# KiCad board helios-panel.kicad_pcb (continued)
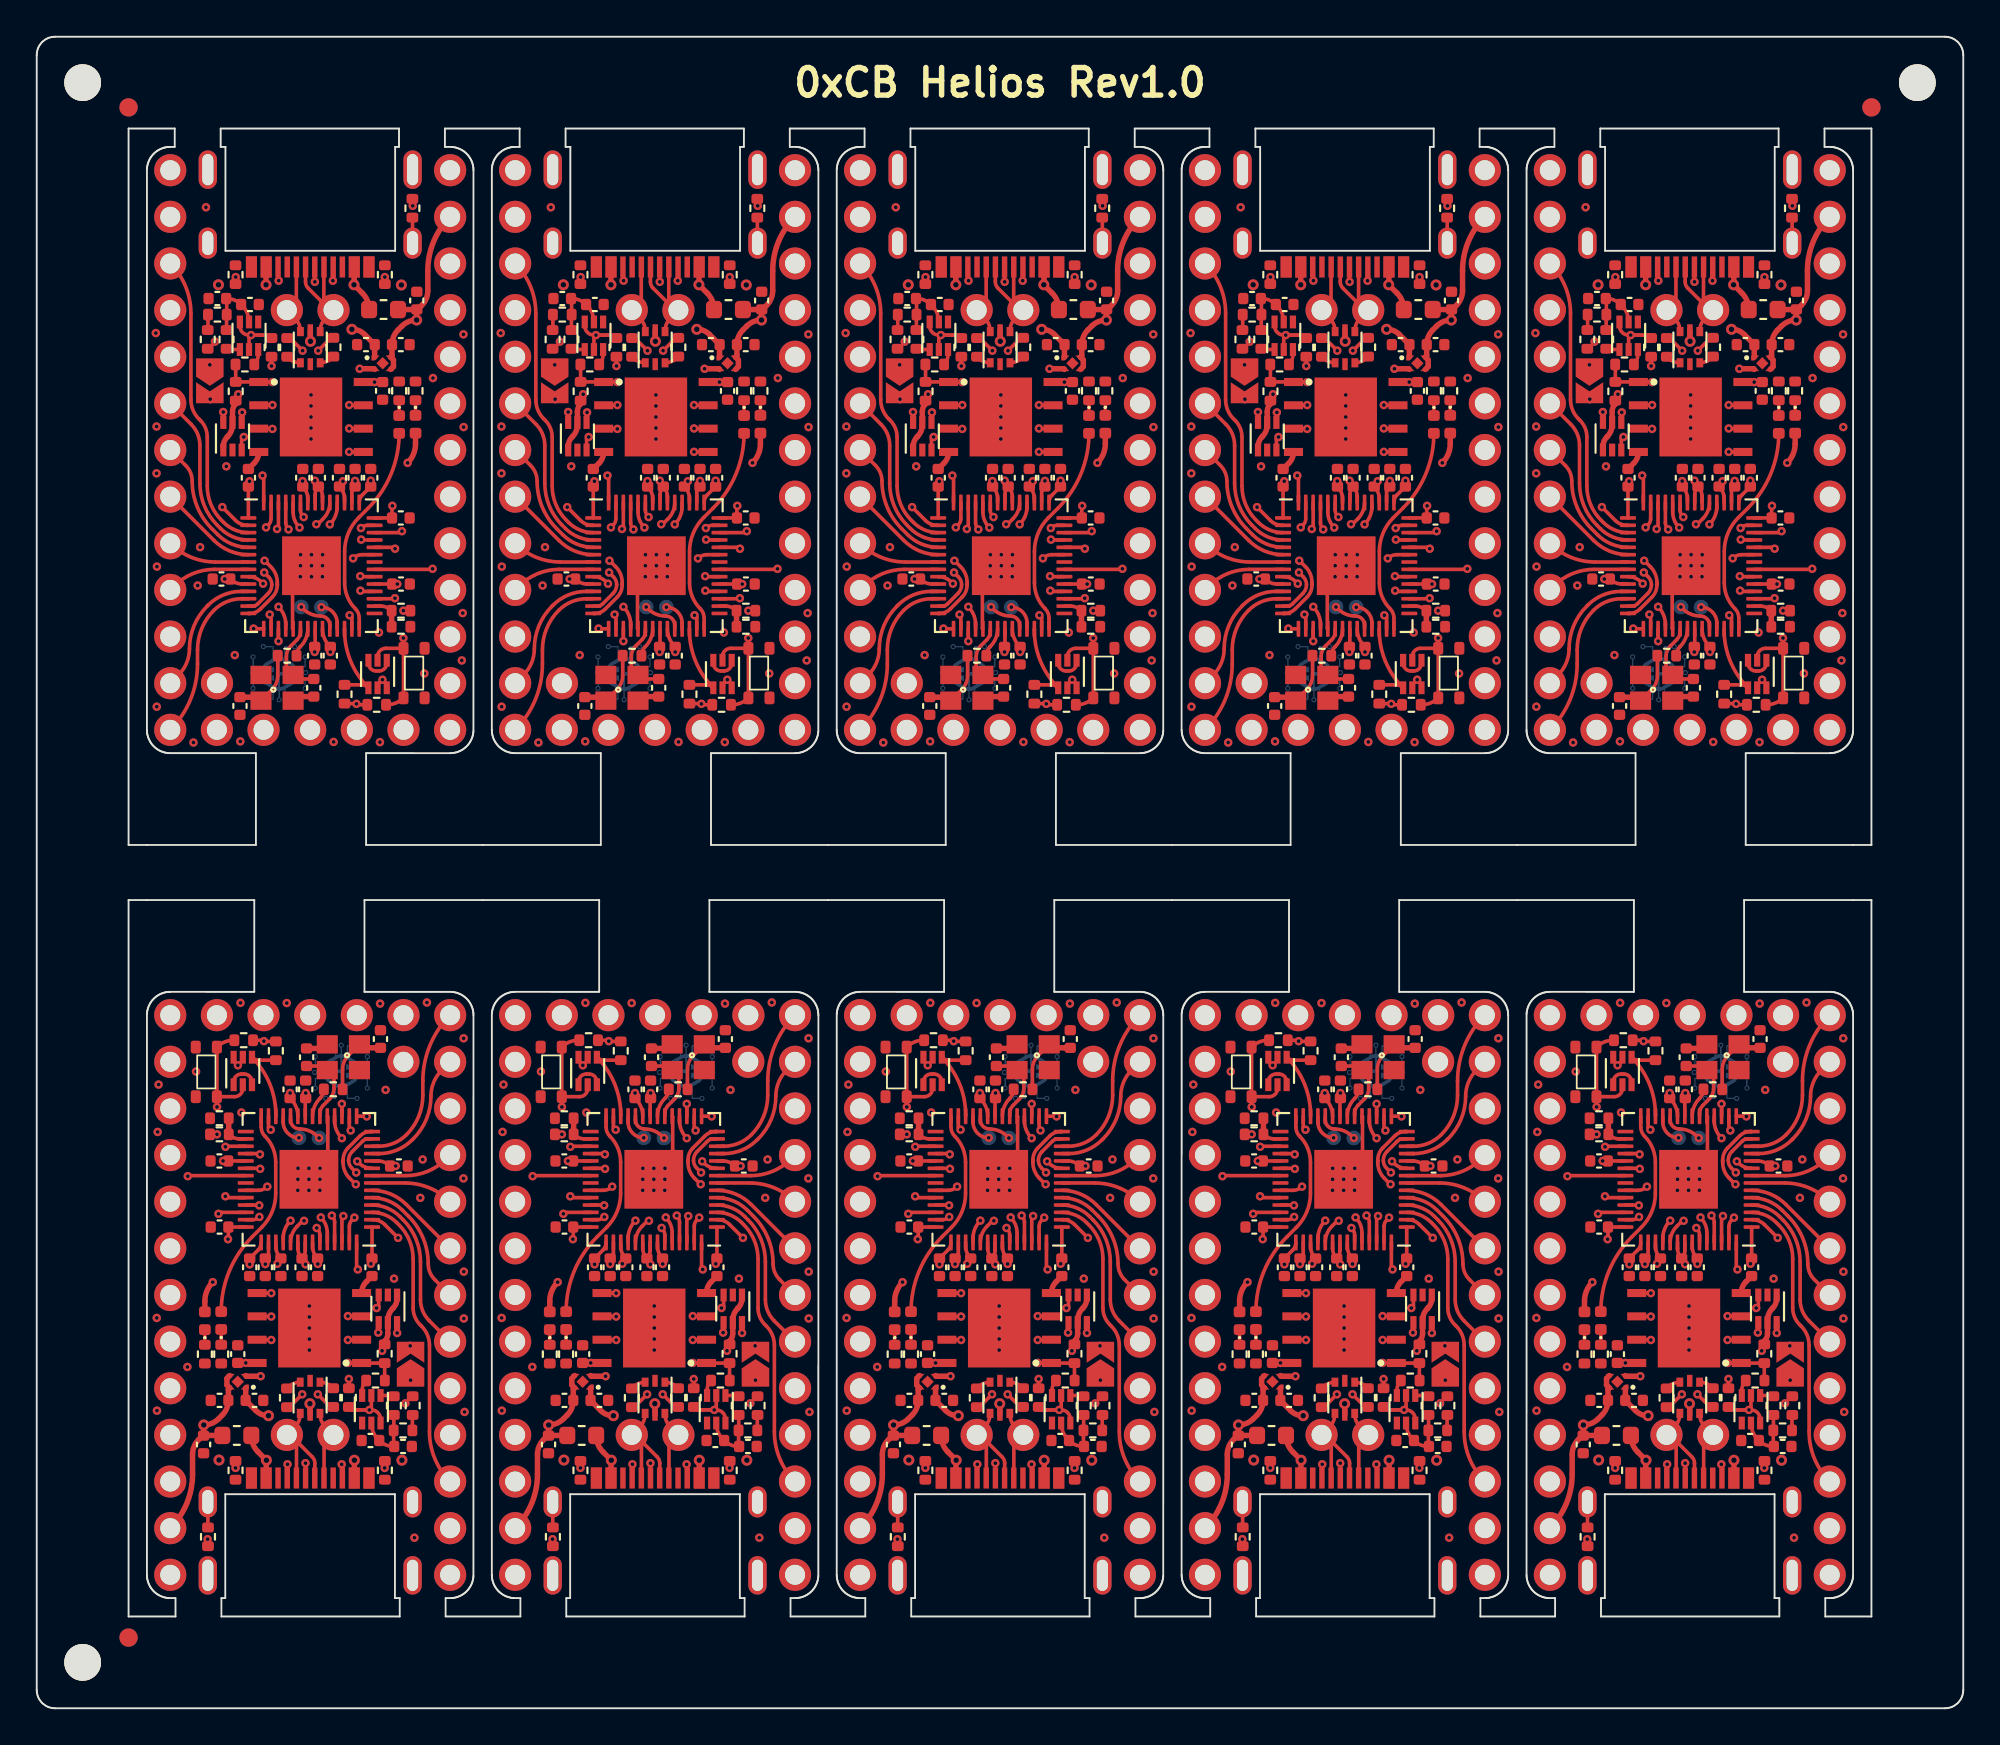
[diagram p0: board, top side]
## Routing (per net, layer and track width the routed paths; a pad name or vN(x,y) marks a point on that pad's centre or on a via; arc(x,y) is an arc through that point) (continued)
Board_0-/2_SDA1: length 9.4
  Top w0.2: J2#3.6 8.41,69.93 arc(8.76,69.4) 8.89,68.78 8.89,66.71 arc(9.13,65.48) 9.83,64.44 10.01,64.26 arc(10.7,63.79) U4#10.4
Board_0-/3_SCL1: length 7.3
  Top w0.2: J2#3.7 8.11,67.69 arc(8.37,67.3) 8.46,66.83 arc(8.74,65.43) 9.54,64.24 9.86,63.92 arc(10.62,63.41) U4#10.5
Board_0-/4: length 5.4
  Top w0.2: J2#3.8 9.66,63.6 arc(10.51,63.03) U4#10.6
Board_0-/5: length 4.5
  Top w0.2: U4#10.7 9.73,62.43 arc(8.4,62.7) J2#3.9
Board_0-/6: length 4.6
  Top w0.2: U4#10.8 9.68,62.03 arc(8.49,61.79) 7.48,61.12 J2#3.10
Board_0-/7: length 6.9
  Top w0.2: U4#10.9 11.56,61.63 arc(11.92,61.56) 12.22,61.35 v1(12.32,61.25)
  In2.Cu w0.2: v1(12.32,61.25) 10.98,59.91 arc(9.28,58.77) J2#3.11
Board_0-/8: length 7.3
  Top w0.2: U4#10.11 11.14,60.83 arc(10.17,60.64) 9.34,60.09 9.27,60.02 arc(8.56,58.96) 8.32,57.7 arc(8.16,56.94) 7.73,56.29 J2#3.12
Board_0-/9: length 9.2
  Top w0.2: U4#10.12 11.16,60.43 arc(10.34,60.27) 9.65,59.8 arc(8.99,58.81) 8.75,57.65 8.75,56.88 arc(8.37,54.93) J2#3.13
Board_0-/10: length 26.5
  Top w0.2: v1(12.39,61.86) 12.62,61.62 arc(12.75,61.43) 12.8,61.2 arc(12.75,60.94) 12.6,60.72 12.03,60.15 arc(11.9,60.06) 11.75,60.03 U4#10.13
  In2.Cu w0.2: v1(12.39,61.86) 12.35,61.86 9.07,65.14 arc(8.66,65.76) 8.52,66.48 8.52,80.76 arc(8.19,82.39) J2#3.1
Board_0-/11: length 38
  Top w0.2: U4#10.14 11.61,59.63 arc(11.91,59.69) 12.17,59.86 12.82,60.51 arc(13.03,60.82) 13.1,61.18 13.1,61.31 arc(13.01,61.78) 12.74,62.17 12.42,62.5 v1(12.41,62.5)
  In1.Cu w0.2: v1(12.41,62.5) 12.41,62.69 arc(12.31,62.91) 12.09,63 arc(11.23,63.36) 10.88,64.22 10.88,64.45 arc(10.71,65.28) 10.24,65.98 9.58,66.64 arc(9.12,67.34) 8.95,68.16 8.95,76.65 arc(9.51,77.98) 10.84,78.53 20.12,78.53 arc(20.95,78.87) 21.3,79.71 21.3,80.84 arc(21.61,82.42) J2#3.31
Board_0-/12: length 6.6
  Top w0.2: v1(11.81,58.81) 11.82,58.79 U4#10.15
  In1.Cu w0.2: v1(11.81,58.81) 11.81,58.12 arc(11.29,55.51) J2#3.14
Board_0-/13: length 7.2
  Top w0.2: U4#10.16 12.76,59.5 v1(12.68,59.57)
  In1.Cu w0.2: J2#3.15 12.35,58.76 arc(12.44,59.2) v1(12.68,59.57)
Board_0-/14: length 6
  Top w0.2: U4#10.17 13.16,58.13 v1(13.16,58.12)
  In1.Cu w0.2: v1(13.16,58.12) 13.16,57.45 arc(13.61,55.2) J2#3.16
Board_0-/15: length 9.5
  Top w0.2: U4#10.18 13.56,59.04 arc(13.46,59.55) v1(13.16,59.99)
  In1.Cu w0.2: J2#3.17 14.89,55.83 arc(14.06,57.08) 13.77,58.54 arc(13.61,59.33) v1(13.16,59.99)
Board_0-/16: length 7.9
  Top w0.2: U4#10.27 17.16,59.41 v1(17.03,59.53)
  In1.Cu w0.2: J2#3.18 19.37,53.89 arc(17.64,56.48) v1(17.03,59.53)
Board_0-/20_SDI: length 4.9
  Top w0.2: v1(19.51,60.46) 19.48,60.43 U4#10.31
  In1.Cu w0.2: J2#3.21 21.07,59.81 arc(20.35,60.29) v1(19.51,60.46)
Board_0-/21_CS: length 10.1
  Top w0.2: v1(17.62,60.87) 17.66,60.83 U4#10.32
  In1.Cu w0.2: J2#3.19 19.61,56.19 arc(18.31,58.02) 17.68,60.16 17.68,60.82 v1(17.62,60.87)
Board_0-/22_SCK: length 5.9
  Top w0.2: U4#10.34 17.65,61.63 v1(17.62,61.66)
  In1.Cu w0.2: v1(17.62,61.66) 17.66,61.7 20.59,61.7 arc(21.63,61.5) J2#3.22
Board_0-/23_SDO: length 9.8
  Top w0.2: U4#10.35 21.52,62.03 v1(21.55,62.06)
  In2.Cu w0.2: v1(21.55,62.06) 21.42,61.93 21.42,58.21 arc(21.66,57.01) 22.34,56 J2#3.20
Board_0-/A0: length 4.2
  Top w0.2: U4#10.38 19.44,63.23 v1(19.51,63.16)
  In1.Cu w0.2: v1(19.51,63.16) 21.8,63.16 arc(22.18,63.23) J2#3.23
Board_0-/A1: length 6.5
  Top w0.2: v1(17.66,63.65) 17.69,63.63 U4#10.39
  In1.Cu w0.2: J2#3.24 20.41,63.89 arc(20.12,63.7) 19.78,63.63 17.69,63.63 v1(17.66,63.65)
Board_0-/A2: length 6.8
  Top w0.2: U4#10.40 19.8,64.03 v1(19.88,64.11)
  In1.Cu w0.2: J2#3.25 21.15,67.17 arc(20.21,65.77) v1(19.88,64.11)
Board_0-/A3: length 9.4
  Top w0.2: v1(17.66,64.28) 17.66,64.28 arc(17.82,64.39) 18.01,64.43 U4#10.41
  In1.Cu w0.2: J2#3.26 21.64,70.2 arc(21.35,69.76) 21.24,69.24 arc(21.02,68.13) 20.4,67.19 17.66,64.45 v1(17.66,64.28)
Board_0-/BOOT: length 0.9
  Top w0.2: Q2#3.3 12.06,73.71 arc(12,73.43) 11.84,73.19
Board_0-/D+: length 12.7
  Top w0.2: v1(14.48,73.94) 13.79,74.63 R12#10.2 ; v1(15.23,64.49) 15.3,64.49 15.59,64.78 arc(15.86,65.19) U4#10.47
  In1.Cu w0.2: v1(14.48,73.94) 15.1,73.31 arc(15.58,72.59) 15.75,71.75 15.75,70.89 15.75,67 arc(15.71,66.81) 15.6,66.65 15.51,66.55 arc(15.4,66.39) 15.36,66.2 15.36,64.63 v1(15.23,64.49)
Board_0-/D-: length 12.7
  Top w0.2: v1(15.32,73.94) 16.02,74.64 R13.2 ; U4#10.46 16.36,65.45 arc(16.26,64.92) v1(15.96,64.48)
  In1.Cu w0.2: v1(15.32,73.94) 15.32,73.93 arc(15.36,73.74) 15.47,73.58 arc(16.01,72.77) 16.2,71.82 16.2,70.51 arc(16.23,70.44) 16.29,70.42 arc(16.35,70.39) 16.38,70.33 16.38,70.21 arc(16.35,70.14) 16.29,70.12 16.2,70.12 16.2,70.11 16.14,70.11 arc(16.09,70.09) 16.07,70.04 16.07,69.87 arc(16.09,69.82) 16.14,69.81 arc(16.18,69.79) 16.2,69.74 16.2,66.82 arc(16.16,66.63) 16.05,66.46 15.96,66.37 arc(15.85,66.21) 15.81,66.01 15.81,64.83 arc(15.85,64.64) 15.96,64.48 v1(15.96,64.48)
Board_0-/LED: length 11.7
  Top w0.2: U4#10.28 17.56,59.38 arc(17.51,59.65) 17.35,59.88 arc(16.92,60.53) 16.77,61.3 16.77,63 arc(16.96,64) 17.53,64.85 18.05,65.36 arc(19.3,67.23) D2#4.2
Board_0-/PORT+: length 7.1
  Top w0.2: 15.14,78.5 15.14,77.7 v1(15.14,77.69) ; U1#3.6 14.36,75 arc(14.28,75.38) 14.06,75.71 J2#3.34 14.14,76.67 14.14,78.5
  In1.Cu w0.2: J2#3.34 13.79,76.15 15.14,77.51 v1(15.14,77.69)
Board_0-/PORT-: length 7.1
  Top w0.2: J2#3.33 15.73,75.72 arc(15.51,75.39) 15.43,75.01 U1#3.4 ; J2#3.33 15.64,76.68 15.64,78.5 ; J2#3.33 15.98,76.15 14.78,77.34 arc(14.67,77.51) 14.64,77.7 14.64,78.5
Board_0-/QSPI_CLK: length 11.3
  Top w0.2: U4#10.52 13.96,65.15 arc(14.05,64.69) v1(14.31,64.31) ; v1(17.01,69.71) 17.02,69.7 U3#5.6
  In2.Cu w0.2: v1(14.31,64.31) 14.31,64.41 arc(13.85,65.1) 13.68,65.91 13.68,67.19 arc(13.86,67.61) 14.28,67.78 16.98,67.78 arc(17.34,67.93) 17.48,68.28 17.48,68.56 arc(17.36,69.18) v1(17.01,69.71)
Board_0-/QSPI_CS: length 9.8
  Top w0.2: v1(12.3,67.14) 12.36,67.08 12.36,65.69 ; R9#2.1 10.84,73.18 R11#2.2 12.09,72.24 U3#5.1 12.83,72.24 v1(12.84,72.23)
  In2.Cu w0.2: v1(12.3,67.14) arc(12.12,67.4) 12.06,67.7 12.06,70.36 arc(12.26,71.37) v1(12.84,72.23)
Board_0-/QSPI_SD0: length 11.3
  Top w0.2: v1(13.71,64.21) 13.71,64.21 arc(13.6,64.37) 13.56,64.56 U4#10.53 ; v1(17.01,68.43) 17.02,68.43 U3#5.5
  In2.Cu w0.2: v1(13.71,64.21) 13.71,64.28 arc(13.47,64.64) 13.39,65.06 13.39,67.24 arc(13.63,67.83) 14.22,68.08 15.05,68.08 arc(15.16,68.12) 15.2,68.23 15.2,68.48 arc(15.25,68.59) 15.36,68.63 arc(15.46,68.59) 15.5,68.48 15.5,68.23 arc(15.55,68.12) 15.66,68.08 arc(15.76,68.12) 15.8,68.23 15.8,68.48 arc(15.85,68.59) 15.95,68.63 arc(16.06,68.59) 16.11,68.48 16.11,68.23 arc(16.15,68.12) 16.25,68.08 arc(16.63,68.15) 16.95,68.37 v1(17.01,68.43)
Board_0-/QSPI_SD1: length 11.4
  Top w0.2: v1(12.48,64.32) 12.61,64.44 arc(12.72,64.61) 12.76,64.8 U4#10.55 ; U3#5.2 12.82,70.97 v1(12.84,70.98)
  In2.Cu w0.2: v1(12.48,64.32) 12.65,64.48 arc(12.75,64.63) 12.79,64.8 arc(12.74,64.91) 12.64,64.95 12.54,64.95 arc(12.43,64.99) 12.39,65.1 arc(12.43,65.21) 12.54,65.25 12.64,65.25 arc(12.74,65.29) 12.79,65.4 arc(12.74,65.51) 12.64,65.55 12.54,65.55 arc(12.43,65.59) 12.39,65.7 arc(12.43,65.81) 12.54,65.85 12.64,65.85 arc(12.74,65.89) 12.79,66 arc(12.74,66.11) 12.64,66.15 12.54,66.15 arc(12.43,66.19) 12.39,66.3 arc(12.43,66.41) 12.54,66.45 12.64,66.45 arc(12.74,66.49) 12.79,66.6 12.79,67.16 arc(12.75,67.35) 12.64,67.51 12.51,67.64 arc(12.4,67.81) 12.36,68 12.36,68.34 arc(12.4,68.44) 12.51,68.49 12.61,68.49 arc(12.72,68.53) 12.76,68.64 arc(12.72,68.74) 12.61,68.79 12.51,68.79 arc(12.4,68.83) 12.36,68.94 12.36,69.84 arc(12.48,70.45) v1(12.84,70.98)
Board_0-/QSPI_SD2: length 11.3
  Top w0.2: v1(13.09,64.23) 13.16,64.31 U4#10.54 ; v1(12.84,69.68) 12.82,69.7 U3#5.3
  In2.Cu w0.2: v1(13.09,64.23) 13.09,68.23 arc(13.13,68.34) 13.23,68.38 13.93,68.38 arc(14.04,68.42) 14.09,68.53 arc(14.04,68.64) 13.93,68.68 13.23,68.68 arc(13.13,68.72) 13.09,68.83 arc(13.13,68.94) 13.23,68.98 13.93,68.98 arc(14.04,69.02) 14.09,69.13 arc(14.04,69.24) 13.93,69.28 13.23,69.28 arc(13.13,69.32) 13.09,69.43 v1(12.84,69.68)
Board_0-/QSPI_SD3: length 11.4
  Top w0.2: v1(17.01,70.98) 17.02,70.97 U3#5.7 ; v1(14.54,64.88) 14.51,64.91 arc(14.4,65.07) 14.36,65.26 U4#10.51
  In2.Cu w0.2: v1(14.54,64.88) arc(14.13,65.49) 13.99,66.2 13.99,67.13 arc(14.08,67.36) 14.32,67.46 17,67.46 arc(17.58,67.7) 17.83,68.28 17.83,69.01 arc(17.61,70.08) v1(17.01,70.98)
Board_0-/RESET: length 24.7
  Top w0.2: v1(19.97,58.29) 19.97,58.29 SW1#3.2 ; SW1#3.2 19.01,57.73 arc(18.69,57.6) 18.56,57.28 Q1#7.2 18.56,57.09 ; SW1#3.2 SW1#3.2 arc(19.55,54.75) 19.06,54.66 R1#6.2
  In2.Cu w0.2: J2#3.28 arc(21.37,74.44) 20.97,72.43 20.97,60.71 arc(20.71,59.4) v1(19.97,58.29)
Board_0-/RGB_5V: length 17.5
  Top w0.2: U5#2.4 11.16,70.56 v1(11.18,70.58)
  In2.Cu w0.2: v1(11.18,70.58) arc(10.9,70.15) 10.8,69.65 10.8,66.16 arc(11.03,65) 11.69,64.02 12.96,62.75 arc(13.27,62.28) 13.38,61.73 arc(13.26,61.12) 12.91,60.6 11,58.7 arc(10.12,57.38) J2#3.32
Board_0-/RGB_DO: length 15.4
  Top w0.2: U4#10.37 17.71,62.83 arc(17.45,62.78) v1(17.23,62.63) ; U5#2.3 11.16,69.12 v1(11.27,69.24)
  In1.Cu w0.2: v1(11.27,69.24) 10.48,69.24 arc(9.83,68.97) 9.55,68.31 arc(9.7,67.58) 10.12,66.96 10.89,66.18 arc(11.33,65.53) 11.48,64.76 11.48,64.25 arc(11.67,63.79) 12.12,63.6 15.36,63.6 arc(16.18,63.44) 16.88,62.98 v1(17.23,62.63)
Board_0-/RST: length 4.9
  Top w0.2: U4#10.26 16.76,58.72 arc(17.1,57.02) Q1#7.4 18.05,55.59 arc(17.88,55.7) 17.69,55.74 R3.2
Board_0-/SWD_CLK: length 2.2
  Top w0.2: v1(14.41,59.98) 14.5,59.89 arc(14.94,59.59) 15.46,59.49 arc(15.81,59.34) 15.96,58.99 U4#10.24
Board_0-/SWD_IO: length 1.7
  Top w0.2: U4#10.25 16.36,59.12 arc(16.11,59.72) v1(15.5,59.97)
Board_0-/USB+: length 0.8
  Top w0.2: R12#10.1 13.69,73.56 arc(13.99,73.35) U1#3.1
Board_0-/USB-: length 0.8
  Top w0.2: R13.1 16.09,73.55 arc(15.79,73.35) U1#3.3
Board_0-GND: length 8.8
  Top w0.2: Q1#7.1 19.06,56.92 arc(18.93,56.62) 18.63,56.5 18.49,56.5 arc(18.19,56.62) 18.06,56.92 Q1#7.3 ; v1(14.96,62.23) 13.93,61.2 13.93,58.82 U4#10.19
  Top w0.3: C16#8.2 11.84,67.81 arc(12.02,68.09) U3#5.4 ; v1(17.59,72.96) 18.37,72.96 U2#9.2 ; C7.1 14.18,55.1 Y1#2.2
  vias: v1(6.48,74.9) v1(6.52,69.81) v1(6.52,67.26) v1(6.55,62.18) v1(6.54,54.55) v1(8.54,52.6) v1(8.77,61.15) v1(8.89,63.24) v1(9.21,81.75) v1(9.7,74.43) v1(10.79,57.36) v1(11.09,52.66) v1(14.36,62.83) v1(14.36,62.23) v1(14.36,61.63) v1(14.93,71.53) v1(14.93,70.93) v1(14.93,70.33) v1(14.93,69.73) v1(14.93,69.13) v1(14.96,62.83) v1(14.96,61.63) v1(15.57,62.83) v1(15.56,62.23) v1(15.55,61.63) v1(16.16,52.63) v1(18.63,58.59) v1(18.69,52.62) v1(20.48,81.83) v1(21.1,56.36) v1(21.58,72.45) v1(23.15,57.07) v1(23.23,74.83) v1(23.24,69.78) v1(23.2,59.65) v2(9.89,77.53) v2(19.85,77.52)
Board_0-Net-(C1-Pad1): length 3.7
  Top w0.2: 10.34,75.06 10.34,75.9 10.34,75.91 10.34,76.75 C1#10.1 10.35,76.78 arc(10.77,76.7) C2#6.1 11.19,76.39 arc(11.46,75.99) Q2#3.5
Board_0-Net-(C7-Pad2): length 4.1
  Top w0.2: C7.2 14.18,56.06 Y1#2.3 13.74,56.5 arc(13.63,56.66) 13.59,56.85 13.59,57.28 arc(13.66,57.59) 13.83,57.86 14.18,58.21 arc(14.31,58.4) 14.36,58.64 U4#10.20
Board_0-Net-(C8-Pad2): length 4
  Top w0.2: Y1#2.1 12.81,55.48 arc(13.04,55.83) 13.12,56.24 R14#3.1
  Top w0.3: Y1#2.1 12.02,55.07 C8#6.2
Board_0-Net-(D1-Pad1): length 0.8
  Top w0.2: D1#4.1 R10#2.1
Board_0-Net-(D1-Pad2): length 24.2
  Top w0.2: JP1#9.2 9.45,71.56 v1(9.45,71.3)
  Top w0.3: D1#4.2 20.62,68.87 arc(20.51,68.31) v1(20.2,67.83)
  In1.Cu w0.2: v1(9.45,71.3) 9.43,71.3 arc(9.3,71.1) 9.25,70.87 9.25,68.2 arc(9.4,67.46) 9.82,66.83 10.57,66.08 arc(11.02,65.41) 11.18,64.62 11.18,64.23 arc(11.45,63.58) 12.1,63.3 15.38,63.3 arc(15.79,63.22) 16.13,62.99 16.84,62.28 arc(17.2,62.14) 17.55,62.28 17.57,62.3 arc(17.71,62.65) 17.57,63.01 17.33,63.25 arc(16.97,64.12) 17.33,64.99 20.17,67.83 v1(20.2,67.83)
Board_0-Net-(D2-Pad1): length 0.8
  Top w0.2: D2#4.1 R15#8.1
Board_0-Net-(FB1-Pad1): length 1.4
  Top w0.2: 20.46,79.8 20.46,81.19 FB1#8.1
Board_0-Net-(J1-PadA5): length 4.1
  Top w0.2: v1(16.12,77.75) 16.14,77.76 16.14,78.5 ; R7.2 v1(18.95,77.95)
  In1.Cu w0.2: v1(18.95,77.95) 18.85,78.05 16.86,78.05 arc(16.46,77.98) v1(16.12,77.75)
Board_0-Net-(J1-PadB5): length 3.6
  Top w0.2: R8#2.2 10.82,77.94 v1(10.84,77.95) ; 13.14,78.5 13.14,77.79 v1(13.17,77.75)
  In1.Cu w0.2: v1(10.84,77.95) 10.94,78.05 12.45,78.05 arc(12.84,77.98) v1(13.17,77.75)
Board_0-Net-(Q1-Pad5): length 28.5
  Top w0.2: 12.31,74.79 11.56,74.79 arc(11.21,74.94) 11.06,75.29 Q2#3.6 ; 12.31,74.79 12.62,74.79 R2#3.2 ; 12.31,74.79 v1(11.67,74.79) 11.56,74.68 Q2#3.2 ; Q1#7.5 18.56,55.76 v1(18.83,56.02) 19.06,55.79 Q1#7.6
  In2.Cu w0.2: v1(11.67,74.79) 11.55,74.67 arc(11.44,74.5) 11.4,74.31 11.4,72.23 arc(11.44,72.04) 11.55,71.88 11.58,71.84 arc(11.71,71.64) 11.76,71.41 11.76,68.84 arc(11.68,68.45) 11.46,68.12 arc(11.19,67.72) 11.1,67.25 11.1,66.27 arc(11.33,65.12) 11.98,64.15 13.23,62.9 arc(13.56,62.4) 13.68,61.82 13.68,59.42 arc(14.67,57.02) 17.08,56.02 18.82,56.02 v1(18.83,56.02)
Board_0-Net-(Q2-Pad1): length 0.7
  Top w0.2: Q2#3.1 10.38,74.01 R4#9.1
Board_0-Net-(R5-Pad2): length 0.8
  Top w0.2: 9.31,75.06 9.32,75.08 R5#7.2
Board_0-Net-(R14-Pad2): length 1.6
  Top w0.2: 14.14,57.33 arc(14.2,57.59) 14.34,57.81 14.36,57.83 arc(14.66,58.27) U4#10.21
Board_0-VBUS: length 28.7
  Top w0.2: v1(19.97,59.78) R16#9.1
  Top w0.3: v2(12.48,77.53) 12.48,78.5 ; 17.28,78.5 17.28,77.54 v2(17.27,77.53) 17.72,77.08 arc(18,76.67) F1#10.1
  In2.Cu w0.2: v1(19.97,59.78) arc(20.49,60.56) 20.67,61.48 20.67,69.34 arc(19.79,73.77) v2(17.27,77.53)
  In2.Cu w0.3: v2(12.48,77.53) arc(12.75,78.18) 13.4,78.45 16.36,78.45 arc(17.01,78.18) v2(17.27,77.53)
Board_1-+1V1: length 15.7
  Top w0.2: v1(33.26,66.84) 33.27,66.83 C17#5.1 arc(33.47,66.24) 33.54,65.88 U4#8.50 ; v1(35.45,66.83) 35.27,66.64 C10#6.2 arc(35.47,66.24) 35.54,65.88 U4#8.45 ; v1(34.77,57.53) C19#4.1 34.73,57.84 arc(34.44,58.28) U4#8.23
  In2.Cu w0.2: v1(33.26,66.84) 34.3,65.8 ; 34.3,65.8 34.82,65.28 arc(35.11,64.84) 35.21,64.32 35.21,58.61 arc(35.1,58.03) v1(34.77,57.53) ; 34.3,65.8 35.33,66.83 v1(35.45,66.83)
Board_1-+3V3: length 20.5
  Top w0.2: 37.15,61.23 C12#7.1 v1(38.41,61.23) ; R3#8.1 36.17,54.72 v1(36.19,54.71) 36.24,54.66 R1#2.1 ; v1(33.92,66.86) 34.12,66.67 C14#9.1 ; U4#8.1 30.3,66.54 C16#10.1 30.3,66.77 v1(30.37,66.83) ; v1(29.02,61.51) C15#4.1 arc(29.62,61.3) 29.98,61.23 U4#8.10 ; v1(38.15,65.49) 38.12,65.47 C13.1 37.15,64.83 ; R2#9.1 v1(31.56,73.11) ; C6#4.1 v1(37.17,72.23) 37.17,72.24 U3#10.8 ; v1(36.97,66.86) C18#8.1 36.51,66.09 arc(36.39,65.9) U4#8.43 ; v1(36.12,66.85) C9#2.2 36,66.42 arc(35.96,66.36) 35.94,66.28 U4#8.44 ; v1(29.76,71.57) 29.76,71.36 R11#6.1 ; U4#8.48 34.34,66 arc(34.28,66.29) C14#9.1 ; U4#8.22 33.94,57.84 C11#4.1 ; U4#8.49 33.94,66.12 arc(33.99,66.35) C14#9.1
  Top w0.3: R11#6.1 29.62,71.04 29.56,70.99 arc(29.47,70.81) 29.44,70.62 U5#4.5 29.44,69.91 arc(29.37,69.56) 29.17,69.26 29.16,69.25 arc(29,69.01) 28.94,68.72 U5#4.1 ; U2#2.1 37.18,74.27 ; C5#7.1 36.63,74.83 arc(36.31,75.04) 35.95,75.11
  vias: v1(28.2,73.17) v1(29.1,67.64) v1(33.91,57.53) v2(35.94,75.11)
Board_1-+5V: length 25.1
  Top w0.3: 39.47,76.18 C3#3.1 39.52,76.19 39.74,76.41 arc(39.99,76.78) 40.08,77.21 40.08,78.3 arc(40.39,79.88) J2.30 ; 39.47,76.18 v2(39.47,75.61) arc(39.03,75.52) 38.66,75.28 38.46,75.07 arc(38.21,74.7) C4#4.1 38.12,73.67 U2#2.4 38.2,73.44 38.2,73.07 U2#2.3 ; 39.47,76.18 F1#2.2 ; v2(33.69,74.45) 33.67,74.46 U1#7.5 ; v1(28.94,70.6) 28.94,70.59 U5#4.6
  In1.Cu w0.3: v1(28.94,70.6) 28.94,70.88 arc(29.21,72.27) 30,73.44 arc(31.13,74.2) 32.46,74.46 33.67,74.46 v2(33.69,74.45) 36.66,74.45 arc(38.18,74.75) v2(39.47,75.61)
Board_1-/0_TX0: length 18.4
  Top w0.2: U4#8.2 30.25,64.43 arc(29.9,64.5) 29.61,64.7 v1(28.88,65.42)
  In1.Cu w0.2: J2.2 26.05,80.66 arc(26.09,80.47) 26.2,80.31 26.23,80.27 arc(27.12,78.94) 27.44,77.36 27.44,68.13 arc(27.62,67.22) 28.13,66.45 28.69,65.89 arc(28.83,65.67) v1(28.88,65.42)
Board_1-/1_RX0: length 16.4
  Top w0.2: J2.3 arc(26.88,77.44) 27.17,75.97 27.17,71.27 arc(27.29,70.71) 27.61,70.23 27.69,70.14 arc(27.97,69.73) 28.06,69.24 28.06,66.57 arc(28.27,65.56) 28.84,64.71 28.96,64.59 arc(29.57,64.17) U4#8.3
Board_1-/2_SDA1: length 9.4
  Top w0.2: J2.6 27.19,69.93 arc(27.54,69.4) 27.66,68.78 27.66,66.71 arc(27.91,65.48) 28.61,64.44 28.79,64.26 arc(29.48,63.79) U4#8.4
Board_1-/3_SCL1: length 7.3
  Top w0.2: J2.7 26.89,67.69 arc(27.15,67.3) 27.24,66.83 arc(27.52,65.43) 28.32,64.24 28.64,63.92 arc(29.4,63.41) U4#8.5
Board_1-/4: length 5.4
  Top w0.2: J2.8 28.44,63.6 arc(29.29,63.03) U4#8.6
Board_1-/5: length 4.5
  Top w0.2: U4#8.7 28.51,62.43 arc(27.18,62.7) J2.9
Board_1-/6: length 4.6
  Top w0.2: U4#8.8 28.46,62.03 arc(27.27,61.79) 26.26,61.12 J2.10
Board_1-/7: length 6.9
  Top w0.2: U4#8.9 30.34,61.63 arc(30.7,61.56) 31,61.35 v1(31.1,61.25)
  In2.Cu w0.2: v1(31.1,61.25) 29.76,59.91 arc(28.06,58.77) J2.11
Board_1-/8: length 7.3
  Top w0.2: U4#8.11 29.92,60.83 arc(28.95,60.64) 28.12,60.09 28.05,60.02 arc(27.34,58.96) 27.09,57.7 arc(26.94,56.94) 26.51,56.29 J2.12
Board_1-/9: length 9.2
  Top w0.2: U4#8.12 29.94,60.43 arc(29.12,60.27) 28.43,59.8 arc(27.77,58.81) 27.53,57.65 27.53,56.88 arc(27.15,54.93) J2.13
Board_1-/10: length 26.5
  Top w0.2: v1(31.16,61.86) 31.4,61.62 arc(31.53,61.43) 31.58,61.2 arc(31.53,60.94) 31.38,60.72 30.81,60.15 arc(30.68,60.06) 30.53,60.03 U4#8.13
  In2.Cu w0.2: v1(31.16,61.86) 31.13,61.86 27.85,65.14 arc(27.44,65.76) 27.3,66.48 27.3,80.76 arc(26.97,82.39) J2.1
Board_1-/11: length 38
  Top w0.2: U4#8.14 30.39,59.63 arc(30.69,59.69) 30.95,59.86 31.6,60.51 arc(31.81,60.82) 31.88,61.18 31.88,61.31 arc(31.79,61.78) 31.52,62.17 31.2,62.5 v1(31.19,62.5)
  In1.Cu w0.2: v1(31.19,62.5) 31.19,62.69 arc(31.09,62.91) 30.87,63 arc(30.01,63.36) 29.66,64.22 29.66,64.45 arc(29.49,65.28) 29.02,65.98 28.36,66.64 arc(27.9,67.34) 27.73,68.16 27.73,76.65 arc(28.29,77.98) 29.62,78.53 38.9,78.53 arc(39.73,78.87) 40.08,79.71 40.08,80.84 arc(40.39,82.42) J2.31
Board_1-/12: length 6.6
  Top w0.2: v1(30.59,58.81) 30.6,58.79 U4#8.15
  In1.Cu w0.2: v1(30.59,58.81) 30.59,58.12 arc(30.07,55.51) J2.14
Board_1-/13: length 7.2
  Top w0.2: U4#8.16 31.54,59.5 v1(31.47,59.57)
  In1.Cu w0.2: J2.15 31.13,58.76 arc(31.22,59.2) v1(31.47,59.57)
Board_1-/14: length 6
  Top w0.2: U4#8.17 31.94,58.13 v1(31.95,58.12)
  In1.Cu w0.2: v1(31.95,58.12) 31.95,57.45 arc(32.39,55.2) J2.16
Board_1-/15: length 9.5
  Top w0.2: U4#8.18 32.34,59.04 arc(32.24,59.55) v1(31.95,59.99)
  In1.Cu w0.2: J2.17 33.67,55.83 arc(32.84,57.08) 32.55,58.54 arc(32.39,59.33) v1(31.95,59.99)
Board_1-/16: length 7.9
  Top w0.2: U4#8.27 35.94,59.41 v1(35.81,59.53)
  In1.Cu w0.2: J2.18 38.15,53.89 arc(36.42,56.48) v1(35.81,59.53)
Board_1-/20_SDI: length 4.9
  Top w0.2: v1(38.28,60.46) 38.26,60.43 U4#8.31
  In1.Cu w0.2: J2.21 39.85,59.81 arc(39.13,60.29) v1(38.28,60.46)
Board_1-/21_CS: length 10.1
  Top w0.2: v1(36.41,60.87) 36.45,60.83 U4#8.32
  In1.Cu w0.2: J2.19 38.39,56.19 arc(37.09,58.02) 36.46,60.16 36.46,60.82 v1(36.41,60.87)
Board_1-/22_SCK: length 5.9
  Top w0.2: U4#8.34 36.42,61.63 v1(36.4,61.66)
  In1.Cu w0.2: v1(36.4,61.66) 36.44,61.7 39.37,61.7 arc(40.41,61.5) J2.22
Board_1-/23_SDO: length 9.8
  Top w0.2: U4#8.35 40.3,62.03 v1(40.34,62.06)
  In2.Cu w0.2: v1(40.34,62.06) 40.2,61.93 40.2,58.21 arc(40.44,57.01) 41.12,56 J2.20
Board_1-/A0: length 4.2
  Top w0.2: U4#8.38 38.22,63.23 v1(38.29,63.16)
  In1.Cu w0.2: v1(38.29,63.16) 40.58,63.16 arc(40.96,63.23) J2.23
Board_1-/A1: length 6.5
  Top w0.2: v1(36.45,63.65) 36.47,63.63 U4#8.39
  In1.Cu w0.2: J2.24 39.19,63.89 arc(38.9,63.7) 38.56,63.63 36.47,63.63 v1(36.45,63.65)
Board_1-/A2: length 6.8
  Top w0.2: U4#8.40 38.59,64.03 v1(38.66,64.11)
  In1.Cu w0.2: J2.25 39.93,67.17 arc(38.99,65.77) v1(38.66,64.11)
Board_1-/A3: length 9.4
  Top w0.2: v1(36.44,64.28) 36.44,64.28 arc(36.6,64.39) 36.79,64.43 U4#8.41
  In1.Cu w0.2: J2.26 40.42,70.2 arc(40.13,69.76) 40.02,69.24 arc(39.8,68.13) 39.18,67.19 36.44,64.45 v1(36.44,64.28)
Board_1-/BOOT: length 0.9
  Top w0.2: Q2#7.3 30.84,73.71 arc(30.78,73.43) R9#8.2
Board_1-/D+: length 12.7
  Top w0.2: v1(33.26,73.94) 32.56,74.63 R12#8.2 ; v1(34.01,64.49) 34.08,64.49 34.37,64.78 arc(34.64,65.19) U4#8.47
  In1.Cu w0.2: v1(33.26,73.94) 33.88,73.31 arc(34.36,72.59) 34.53,71.75 34.53,70.89 34.53,67 arc(34.49,66.81) 34.38,66.65 34.29,66.55 arc(34.18,66.39) 34.14,66.2 34.14,64.63 v1(34.01,64.49)
Board_1-/D-: length 12.7
  Top w0.2: v1(34.1,73.94) 34.8,74.64 R13#10.2 ; U4#8.46 35.14,65.45 arc(35.04,64.92) v1(34.74,64.48)
  In1.Cu w0.2: v1(34.1,73.94) 34.1,73.93 arc(34.14,73.74) 34.25,73.58 arc(34.79,72.77) 34.98,71.82 34.98,70.51 arc(35.01,70.44) 35.07,70.42 arc(35.13,70.39) 35.16,70.33 35.16,70.21 arc(35.13,70.14) 35.07,70.12 34.98,70.12 34.98,70.11 34.92,70.11 arc(34.87,70.09) 34.85,70.04 34.85,69.87 arc(34.87,69.82) 34.92,69.81 arc(34.96,69.79) 34.98,69.74 34.98,66.82 arc(34.94,66.63) 34.83,66.46 34.74,66.37 arc(34.63,66.21) 34.59,66.01 34.59,64.83 arc(34.63,64.64) 34.74,64.48 v1(34.74,64.48)
Board_1-/LED: length 11.7
  Top w0.2: U4#8.28 36.34,59.38 arc(36.29,59.65) 36.13,59.88 arc(35.7,60.53) 35.55,61.3 35.55,63 arc(35.74,64) 36.31,64.85 36.83,65.36 arc(38.08,67.23) D2#8.2
Board_1-/PORT+: length 7.1
  Top w0.2: 33.91,78.5 33.91,77.7 v1(33.92,77.69) ; U1#7.6 33.14,75 arc(33.06,75.38) 32.84,75.71 J2.34 32.91,76.67 32.91,78.5
  In1.Cu w0.2: J2.34 32.56,76.15 33.92,77.51 v1(33.92,77.69)
Board_1-/PORT-: length 7.1
  Top w0.2: J2.33 34.51,75.72 arc(34.29,75.39) 34.21,75.01 U1#7.4 ; J2.33 34.41,76.68 34.41,78.5 ; J2.33 34.76,76.15 33.56,77.34 arc(33.45,77.51) 33.41,77.7 33.41,78.5
Board_1-/QSPI_CLK: length 11.3
  Top w0.2: U4#8.52 32.74,65.15 arc(32.83,64.69) v1(33.09,64.31) ; v1(35.79,69.71) 35.8,69.7 U3#10.6
  In2.Cu w0.2: v1(33.09,64.31) 33.09,64.41 arc(32.63,65.1) 32.47,65.91 32.47,67.19 arc(32.64,67.61) 33.06,67.78 35.76,67.78 arc(36.12,67.93) 36.26,68.28 36.26,68.56 arc(36.14,69.18) v1(35.79,69.71)
Board_1-/QSPI_CS: length 9.8
  Top w0.2: v1(31.08,67.14) 31.14,67.08 31.14,65.69 ; 29.6,73.19 29.62,73.18 R11#6.2 30.87,72.24 U3#10.1 31.61,72.24 v1(31.62,72.23)
  In2.Cu w0.2: v1(31.08,67.14) arc(30.9,67.4) 30.84,67.7 30.84,70.36 arc(31.04,71.37) v1(31.62,72.23)
Board_1-/QSPI_SD0: length 11.3
  Top w0.2: v1(32.49,64.21) 32.49,64.21 arc(32.38,64.37) 32.34,64.56 U4#8.53 ; v1(35.79,68.43) 35.8,68.43 U3#10.5
  In2.Cu w0.2: v1(32.49,64.21) 32.49,64.28 arc(32.25,64.64) 32.16,65.06 32.16,67.24 arc(32.41,67.83) 33,68.08 33.84,68.08 arc(33.94,68.12) 33.98,68.23 33.98,68.48 arc(34.03,68.59) 34.13,68.63 arc(34.24,68.59) 34.28,68.48 34.28,68.23 arc(34.33,68.12) 34.44,68.08 arc(34.54,68.12) 34.59,68.23 34.59,68.48 arc(34.63,68.59) 34.73,68.63 arc(34.84,68.59) 34.88,68.48 34.88,68.23 arc(34.93,68.12) 35.03,68.08 arc(35.41,68.15) 35.73,68.37 v1(35.79,68.43)
Board_1-/QSPI_SD1: length 11.4
  Top w0.2: v1(31.27,64.32) 31.39,64.44 arc(31.5,64.61) 31.54,64.8 U4#8.55 ; U3#10.2 31.6,70.97 v1(31.62,70.98)
  In2.Cu w0.2: v1(31.27,64.32) 31.43,64.48 arc(31.53,64.63) 31.56,64.8 arc(31.52,64.91) 31.41,64.95 31.31,64.95 arc(31.21,64.99) 31.16,65.1 arc(31.21,65.21) 31.31,65.25 31.41,65.25 arc(31.52,65.29) 31.56,65.4 arc(31.52,65.51) 31.41,65.55 31.31,65.55 arc(31.21,65.59) 31.16,65.7 arc(31.21,65.81) 31.31,65.85 31.41,65.85 arc(31.52,65.89) 31.56,66 arc(31.52,66.11) 31.41,66.15 31.31,66.15 arc(31.21,66.19) 31.16,66.3 arc(31.21,66.41) 31.31,66.45 31.41,66.45 arc(31.52,66.49) 31.56,66.6 31.56,67.16 arc(31.53,67.35) 31.42,67.51 31.29,67.64 arc(31.18,67.81) 31.14,68 31.14,68.34 arc(31.18,68.44) 31.29,68.49 31.39,68.49 arc(31.5,68.53) 31.54,68.64 arc(31.5,68.74) 31.39,68.79 31.29,68.79 arc(31.18,68.83) 31.14,68.94 31.14,69.84 arc(31.26,70.45) v1(31.62,70.98)
Board_1-/QSPI_SD2: length 11.3
  Top w0.2: v1(31.87,64.23) 31.94,64.31 U4#8.54 ; v1(31.62,69.68) 31.6,69.7 U3#10.3
  In2.Cu w0.2: v1(31.87,64.23) 31.87,68.23 arc(31.91,68.34) 32.02,68.38 32.72,68.38 arc(32.82,68.42) 32.87,68.53 arc(32.82,68.64) 32.72,68.68 32.02,68.68 arc(31.91,68.72) 31.87,68.83 arc(31.91,68.94) 32.02,68.98 32.72,68.98 arc(32.82,69.02) 32.87,69.13 arc(32.82,69.24) 32.72,69.28 32.02,69.28 arc(31.91,69.32) 31.87,69.43 v1(31.62,69.68)
Board_1-/QSPI_SD3: length 11.4
  Top w0.2: v1(35.79,70.98) 35.8,70.97 U3#10.7 ; v1(33.31,64.88) 33.29,64.91 arc(33.18,65.07) 33.14,65.26 U4#8.51
  In2.Cu w0.2: v1(33.31,64.88) arc(32.91,65.49) 32.77,66.2 32.77,67.13 arc(32.86,67.36) 33.1,67.46 35.78,67.46 arc(36.36,67.7) 36.6,68.28 36.6,69.01 arc(36.39,70.08) v1(35.79,70.98)
Board_1-/RESET: length 24.7
  Top w0.2: v1(38.74,58.29) 38.75,58.29 SW1#10.2 ; SW1#10.2 37.79,57.73 arc(37.47,57.6) 37.34,57.28 Q1.2 37.34,57.09 ; SW1#10.2 SW1#10.2 arc(38.33,54.75) 37.84,54.66 R1#2.2
  In2.Cu w0.2: J2.28 arc(40.15,74.44) 39.75,72.43 39.75,60.71 arc(39.49,59.4) v1(38.74,58.29)
Board_1-/RGB_5V: length 17.5
  Top w0.2: U5#4.4 29.94,70.56 v1(29.97,70.58)
  In2.Cu w0.2: v1(29.97,70.58) arc(29.68,70.15) 29.58,69.65 29.58,66.16 arc(29.81,65) 30.47,64.02 31.74,62.75 arc(32.05,62.28) 32.16,61.73 arc(32.04,61.12) 31.69,60.6 29.78,58.7 arc(28.9,57.38) J2.32
